# KiCad board usb_power_board.kicad_pcb (continued)
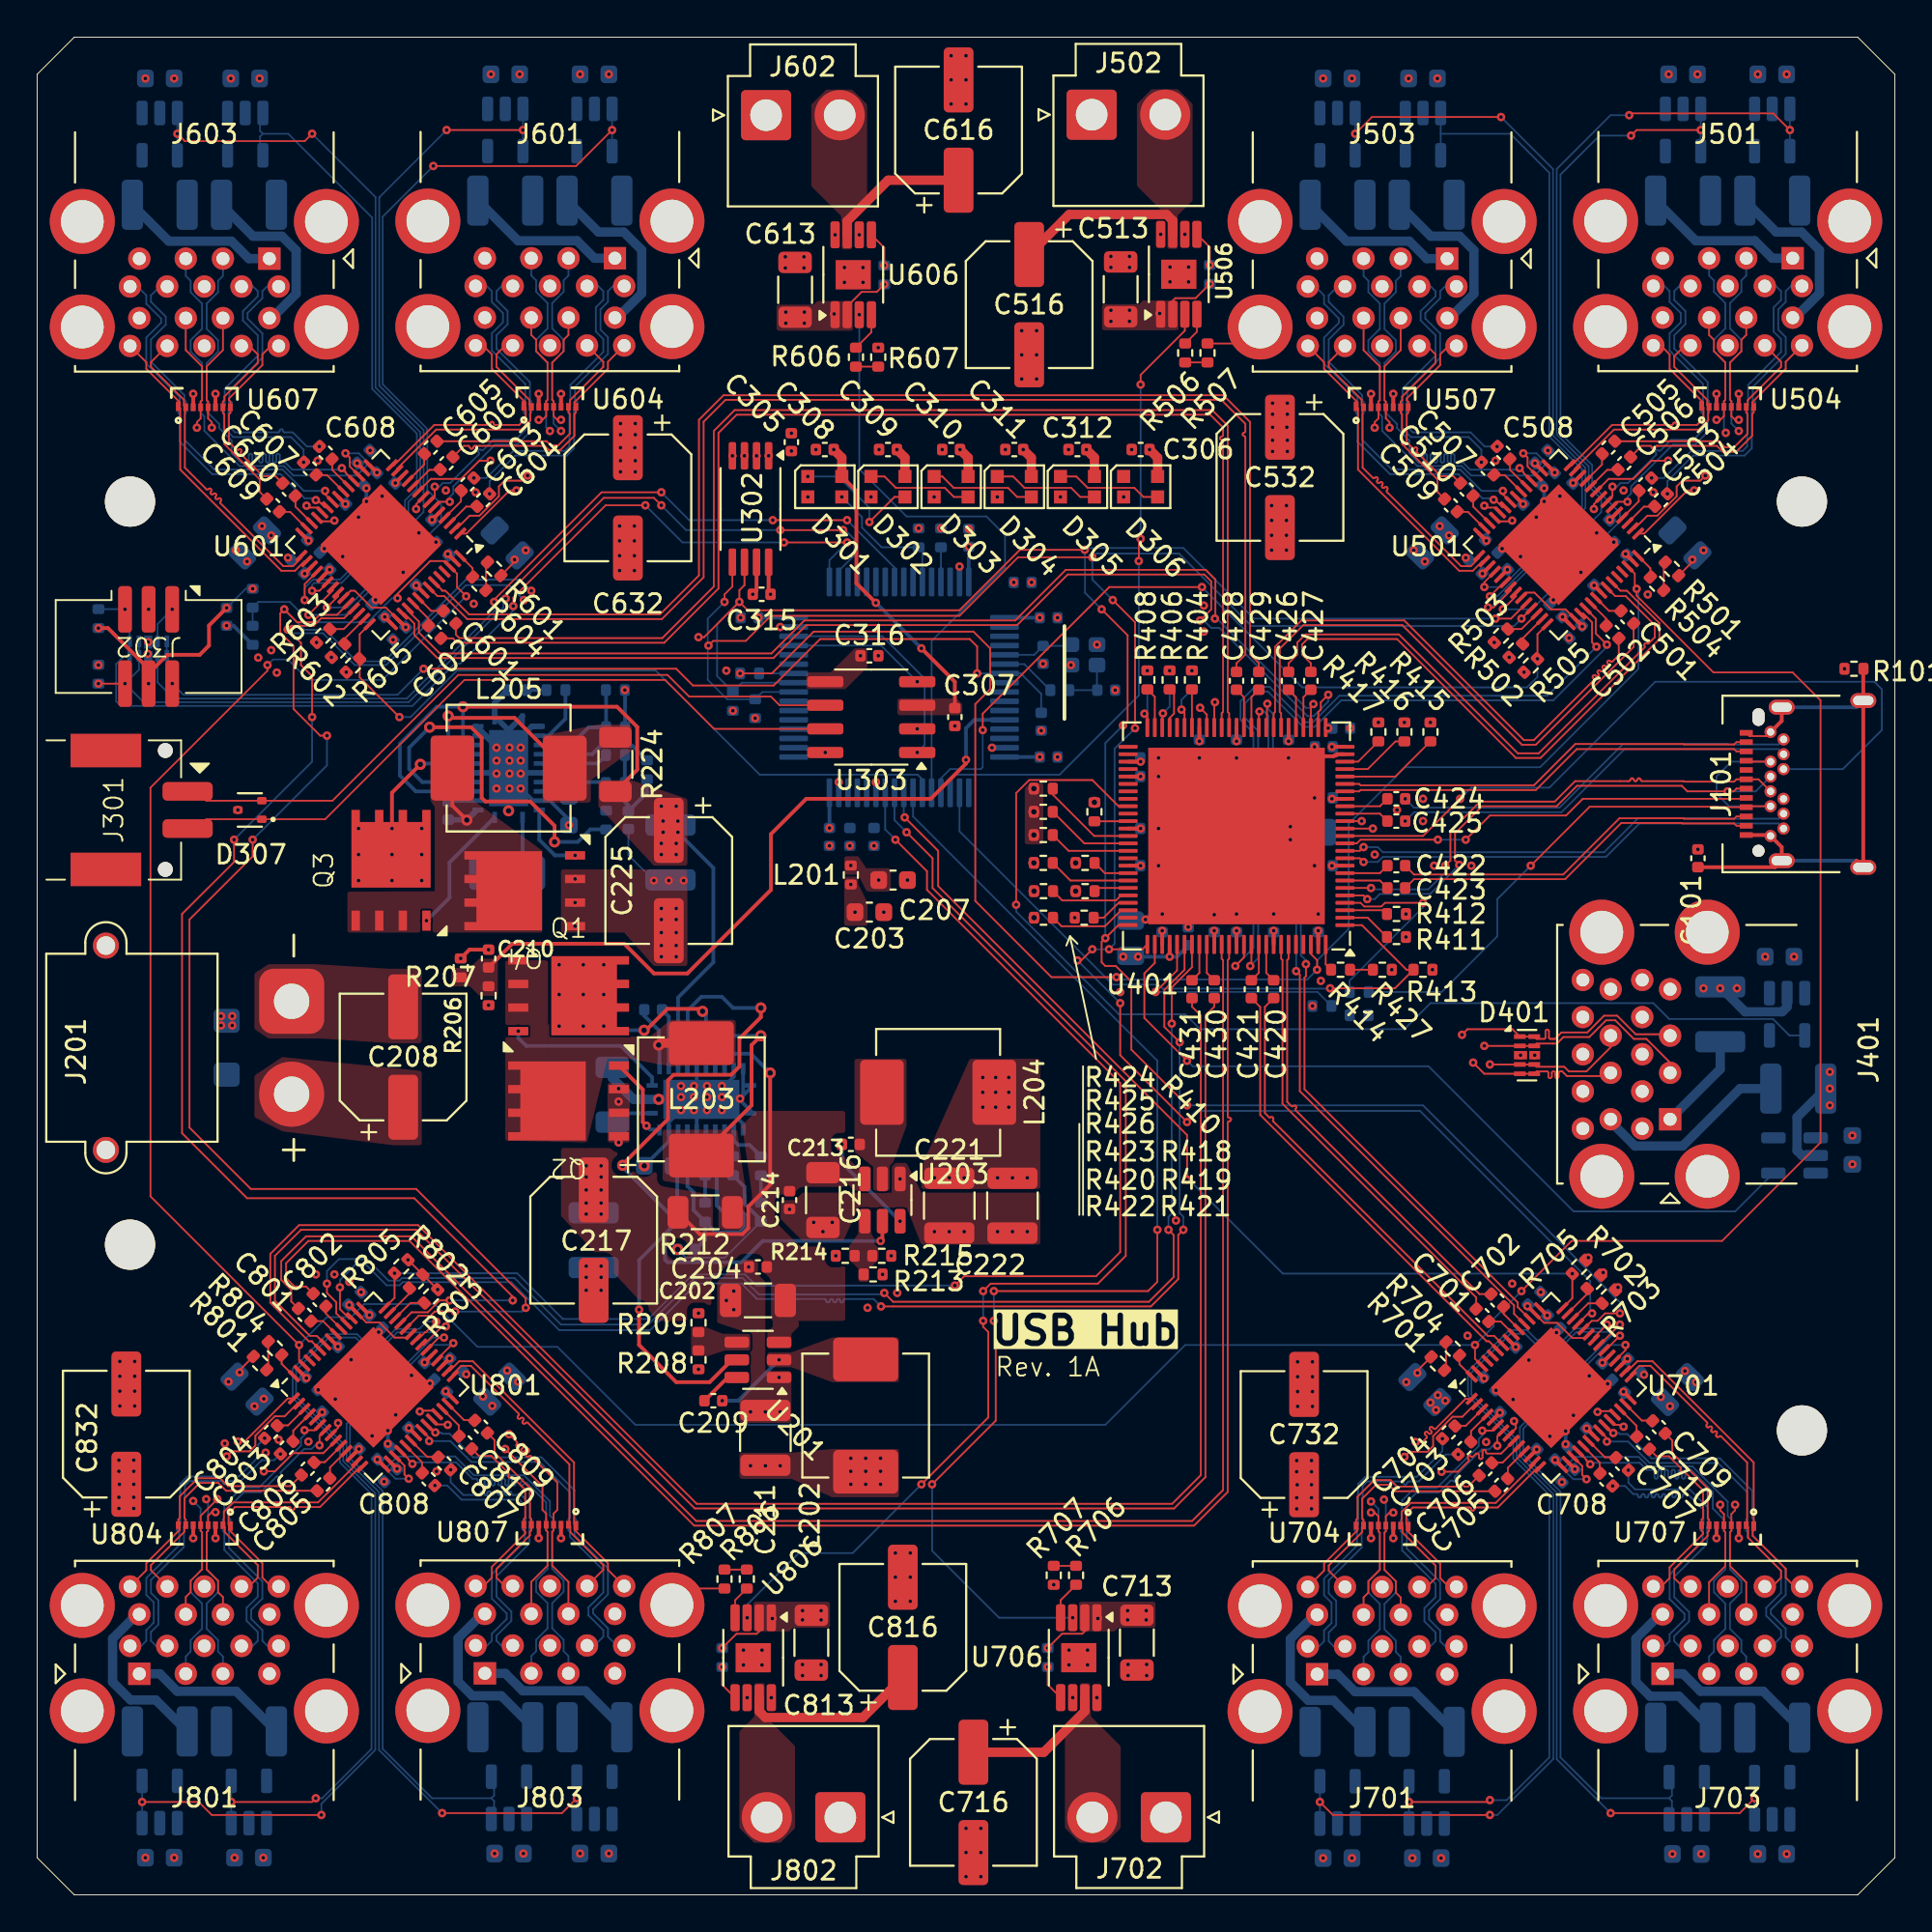
[diagram p0: board, top side]
## Routing (per net, layer and track width the routed paths; a pad name or vN(x,y) marks a point on that pad's centre or on a via; arc(x,y) is an arc through that point) (continued)
/USB Hub 1/CTL4: length 35.8
  Top w0.09: v1(77.9,70.4) 77.9,70.66 U501.32
  Bottom w0.09: 75.55,94.8 U509.4 ; 75.55,94.8 U509.3 ; 75.55,94.8 79.3,94.8 81.4,92.7 81.4,78.5 83.16,76.74 83.16,74.72 78.84,70.4 v1(77.9,70.4)
/USB Hub 1/D_{C}+: length 23.3
  Top w0.095: v1(80,77.6) 80.23,77.37 80.23,76.89 U501.17
  Bottom w0.095: J503.3 71.4,87.14 71.66,86.88 71.66,86.27 72.28,85.66 72.28,84.3 71.66,83.68 71.66,83.07 72.28,82.46 72.28,80.46 72.2,80.38 U510.5 72.2,79.78 72.4,79.58 72.4,78.81 74.3,76.91 76.68,76.91 77.19,76.4 80.6,76.4 81.14,76.94 81.14,77.17 80.71,77.6 v1(80,77.6)
/USB Hub 1/D_{C}-: length 23.3
  Top w0.095: v1(79.8,76.8) 80,76.6 80,76.56 U501.18
  Bottom w0.095: v1(79.8,76.8) 79.72,76.72 77.14,76.72 76.76,77.1 76.37,77.1 arc(76.32,77.12) 76.29,77.17 76.29,77.5 arc(76.27,77.55) 76.22,77.57 76.18,77.57 arc(76.13,77.55) 76.11,77.5 76.11,77.17 arc(76.09,77.12) 76.03,77.1 76,77.1 arc(75.95,77.12) 75.92,77.17 75.92,77.5 arc(75.9,77.55) 75.85,77.57 75.81,77.57 arc(75.76,77.55) 75.74,77.5 75.74,77.17 arc(75.72,77.12) 75.66,77.1 75.63,77.1 arc(75.58,77.12) 75.55,77.17 75.55,77.5 arc(75.53,77.55) 75.48,77.57 75.44,77.57 arc(75.39,77.55) 75.37,77.5 75.37,77.17 arc(75.35,77.12) 75.29,77.1 75.26,77.1 arc(75.21,77.12) 75.18,77.17 75.18,77.5 arc(75.16,77.55) 75.11,77.57 75.07,77.57 arc(75.02,77.55) 75,77.5 75,77.17 arc(74.98,77.12) 74.92,77.1 74.89,77.1 arc(74.84,77.12) 74.81,77.17 74.81,77.5 arc(74.79,77.55) 74.74,77.57 74.7,77.57 arc(74.65,77.55) 74.63,77.5 74.63,77.17 arc(74.61,77.12) 74.55,77.1 74.37,77.1 73.87,77.6 73.87,78.29 73.2,78.96 73.2,79.18 72.6,79.78 U510.4 72.6,80.38 72.53,80.46 72.53,82.46 73.14,83.07 73.14,83.68 72.53,84.3 72.53,85.66 73.14,86.27 73.14,86.88 73.4,87.14 J503.2
/USB Hub 1/D_{D}+: length 17.3
  Top w0.095: U501.24 78.49,74.68 78,74.68 v1(77.9,74.78) ; J503.12 71.4,83.15 72.28,82.28 72.28,80.46 72.2,80.38 U507.4 72.2,79.48 72,79.28 v1(72,78.98)
  PWRF.Cu w0.095: 77.92,74.9 77.9,74.91
  PWRB.Cu w0.095: v1(77.9,74.78) 77.8,74.88 77.8,75 77.2,75.6 75.38,75.6 75.04,75.94 arc(74.99,75.96) 74.93,75.94 74.9,75.9 arc(74.85,75.88) 74.79,75.9 74.77,75.93 arc(74.75,75.98) 74.77,76.04 74.8,76.07 arc(74.82,76.12) 74.8,76.18 74.78,76.2 arc(74.72,76.22) 74.67,76.2 74.64,76.17 arc(74.58,76.14) 74.53,76.17 74.51,76.19 arc(74.48,76.24) 74.51,76.3 74.54,76.33 arc(74.56,76.38) 74.54,76.44 74.51,76.46 arc(74.46,76.48) 74.41,76.46 74.38,76.43 arc(74.32,76.41) 74.27,76.43 74.24,76.45 arc(74.22,76.51) 74.24,76.56 74.28,76.59 arc(74.3,76.65) 74.28,76.7 74.25,76.72 arc(74.2,76.75) 74.15,76.72 74.11,76.69 arc(74.06,76.67) 74.01,76.69 73.98,76.72 arc(73.96,76.77) 73.98,76.82 74.02,76.86 arc(74.04,76.91) 74.02,76.96 73.99,76.99 arc(73.94,77.01) 73.89,76.99 73.85,76.95 arc(73.8,76.93) 73.75,76.95 73.72,76.98 arc(73.7,77.03) 73.72,77.08 73.76,77.12 arc(73.78,77.17) 73.76,77.22 73.73,77.25 arc(73.68,77.27) 73.62,77.25 73.59,77.21 arc(73.54,77.19) 73.49,77.21 73.46,77.24 arc(73.44,77.29) 73.46,77.34 73.49,77.38 arc(73.52,77.43) 73.49,77.48 73.47,77.51 arc(73.42,77.53) 73.36,77.51 73.33,77.47 arc(73.28,77.45) 73.22,77.47 73.2,77.5 arc(73.18,77.55) 73.2,77.61 73.23,77.64 arc(73.25,77.69) 73.23,77.74 73.21,77.77 arc(73.15,77.79) 73.1,77.77 73.07,77.74 arc(73.01,77.71) 72.96,77.74 72.94,77.76 arc(72.91,77.81) 72.94,77.87 72.97,77.9 arc(72.99,77.95) 72.97,78.01 v1(72,78.98)
/USB Hub 1/D_{D}-: length 17.3
  Top w0.095: J503.11 73.4,83.15 72.53,82.28 72.53,80.46 72.6,80.38 U507.5 72.6,79.48 72.8,79.28 v1(72.8,78.98) ; v1(79.4,73.98) 79.36,73.94 78.66,73.94 U501.25
  PWRB.Cu w0.095: v1(79.4,73.98) 79.4,75.64 79.04,76 75.33,76 72.8,78.53 v1(72.8,78.98)
/USB Hub 1/D_{E}+: length 16.2
  Top w0.095: J501.12 90,83.97 90.26,83.71 90.26,83.09 90.88,82.48 90.88,80.48 90.8,80.4 U504.4 90.8,79.6 90.6,79.4 v1(90.4,79.4) ; U501.8 83.8,74.86 v1(83.8,74.6)
  PWRB.Cu w0.095: v1(90.4,79.4) 90.4,79.2 89.8,78.6 87,78.6 83.8,75.4 v1(83.8,74.6)
/USB Hub 1/D_{E}-: length 16.2
  Top w0.095: J501.11 92,83.97 91.74,83.71 91.74,83.09 91.12,82.48 91.12,80.48 91.2,80.4 U504.5 91.2,79.6 91.4,79.4 v1(91.6,79.4) ; v1(87.8,77.2) 86.9,77.2 85.92,76.22 84.6,76.22 U501.9
  PWRB.Cu w0.095: v1(91.6,79.4) 91.04,79.4 90.64,79 90.46,79 89.66,78.19 arc(89.64,78.15) 89.66,78.11 arc(89.67,78.07) 89.66,78.03 89.59,77.97 arc(89.55,77.95) 89.51,77.97 89.29,78.19 arc(89.24,78.21) 89.19,78.19 89.16,78.16 arc(89.14,78.11) 89.16,78.06 89.29,77.93 arc(89.31,77.88) 89.29,77.83 88.66,77.2 v1(87.8,77.2)
/USB Hub 1/D_{K}+: length 18.9
  Top w0.095: v1(89.2,75.6) 88.83,75.6 86.51,73.28 U501.1
  PWRB.Cu w0.095: v1(90.9,78.7) 90.41,78.21 arc(90.39,78.16) 90.41,78.1 90.43,78.08 arc(90.46,78.03) 90.43,77.97 90.41,77.95 arc(90.36,77.93) 90.3,77.95 90.08,78.17 arc(90.02,78.2) 89.97,78.17 89.95,78.15 arc(89.92,78.1) 89.95,78.04 90.04,77.95 arc(90.06,77.89) 90.04,77.84 89.2,77 v1(89.2,75.6)
  Bottom w0.095: v1(90.9,78.7) 90.8,78.8 U505.5 90.8,80.4 90.88,80.48 90.88,82.48 90.26,83.09 90.26,83.71 90.88,84.32 90.88,85.68 90.26,86.29 90.26,86.91 90,87.17 J501.3
/USB Hub 1/D_{K}-: length 18.9
  Top w0.095: v1(89.8,76.4) 89.53,76.12 88.57,76.12 88.26,75.82 88.26,75.29 87.21,74.24 86.68,74.24 86,73.56 U501.2
  PWRB.Cu w0.095: v1(91.6,78.8) 89.8,77 v1(89.8,76.4)
  Bottom w0.095: J501.2 92,87.17 91.74,86.91 91.74,86.29 91.12,85.68 91.12,84.32 91.74,83.71 91.74,83.09 91.12,82.48 91.12,80.48 91.2,80.4 U505.4 91.2,79.2 v1(91.6,78.8)
/USB Hub 1/QTXM_{C}: length 1.8
  Top w0.095: 78.44,76.42 79,76.42 U501.20
/USB Hub 1/QTXM_{D}: length 1.8
  Top w0.095: U501.27 77.02,74.44 76.46,74.44
/USB Hub 1/QTXM_{E}: length 1.8
  Top w0.095: 84.23,77.56 84.23,76.99 U501.11
/USB Hub 1/QTXM_{K}: length 1.8
  Top w0.095: 86.21,75.58 86.21,75.01 U501.4
/USB Hub 1/QTXP_{C}: length 1.8
  Top w0.095: U501.19 79.28,76.71 79.28,77.27
/USB Hub 1/QTXP_{D}: length 1.8
  Top w0.095: 77.3,75.29 77.3,74.73 U501.26
/USB Hub 1/QTXP_{E}: length 1.8
  Top w0.095: U501.10 84.52,76.71 85.08,76.71
/USB Hub 1/QTXP_{K}: length 1.8
  Top w0.095: U501.3 86.5,74.73 87.06,74.73
/USB Hub 1/RX_{C}+: length 19.8
  Top w0.095: U501.22 78.9,75.39 v1(78.9,75.58)
  Bottom w0.095: J503.6 70,86.58 69.53,86.1 69.53,85.75 70.32,84.95 70.32,84.53 69.53,83.73 69.53,82.53 71.32,80.73 71.32,80.46 71.4,80.38 U510.7 71.4,79.77 71.32,79.7 71.32,78.33 72.93,76.73 76.6,76.73 77.75,75.58 v1(78.9,75.58)
/USB Hub 1/RX_{C}-: length 19.8
  Top w0.095: U501.23 78.88,74.69 78.5,75.08 78.42,75.08 v1(78.4,75.1)
  Bottom w0.095: J503.5 68.8,86.58 69.28,86.1 69.28,85.65 70.07,84.85 70.07,84.63 69.28,83.83 69.28,82.43 71.07,80.63 71.07,80.46 71,80.38 U510.8 71,79.77 71.07,79.7 71.07,78.23 72.82,76.48 76.5,76.48 77.8,75.18 78.2,75.18 78.28,75.1 v1(78.4,75.1)
/USB Hub 1/RX_{D}+: length 17.2
  Top w0.095: U501.29 77.62,71.97 77.18,71.53 76.65,71.53 72.66,75.52 arc(72.64,75.57) 72.66,75.62 72.68,75.64 arc(72.7,75.7) 72.68,75.75 72.65,75.77 arc(72.6,75.8) 72.55,75.77 72.53,75.75 arc(72.48,75.73) 72.42,75.75 72.4,75.78 arc(72.38,75.83) 72.4,75.88 72.42,75.9 arc(72.44,75.96) 72.42,76.01 72.39,76.04 arc(72.34,76.06) 72.29,76.04 72.27,76.01 arc(72.21,75.99) 72.16,76.01 72.14,76.04 arc(72.11,76.09) 72.14,76.15 72.16,76.17 arc(72.18,76.22) 72.16,76.27 72.13,76.3 arc(72.08,76.32) 72.03,76.3 72.01,76.28 arc(71.95,76.25) 71.9,76.28 71.35,76.83 71.35,80.03 U507.2 71.3,80.18 71.3,80.48 69.53,82.25 69.53,82.5 J503.15
/USB Hub 1/RX_{D}-: length 17.1
  Top w0.095: J503.14 69.28,82.5 69.28,82.15 71.05,80.37 71.05,80.18 U507.1 71.1,80.03 71.1,76.72 76.55,71.28 77.28,71.28 77.8,71.79 U501.30
/USB Hub 1/RX_{E}+: length 13.7
  Top w0.095: J501.15 88.7,83.4 88.12,82.83 88.12,82.25 89.9,80.48 89.9,80.2 U504.2 89.95,80.05 89.95,79.37 89.45,78.88 84.88,78.88 82.78,76.78 U501.13
/USB Hub 1/RX_{E}-: length 13.7
  Top w0.095: J501.14 87.4,83.4 87.88,82.92 87.88,82.15 89.65,80.37 89.65,80.2 U504.1 89.7,80.05 89.7,79.48 89.35,79.12 88.31,79.12 arc(88.26,79.14) 88.25,79.19 arc(88.23,79.23) 88.18,79.25 88.12,79.25 arc(88.08,79.23) 88.06,79.19 arc(88.04,79.14) 88,79.12 84.78,79.12 82.61,76.96 U501.14
/USB Hub 1/RX_{K}+: length 17.1
  Top w0.095: U501.6 85.06,74.99 v1(85.61,74.99)
  Bottom w0.095: J501.6 88.4,86.6 88.12,86.33 88.12,85.85 88.72,85.25 88.72,84.55 88.12,83.95 88.12,83.23 89.92,81.43 89.92,80.48 90,80.4 U505.7 90,79.8 89.92,79.72 89.92,78.75 89.25,78.08 88.06,78.08 85.8,75.81 85.8,75.43 85.61,75.25 v1(85.61,74.99)
/USB Hub 1/RX_{K}-: length 17.1
  Top w0.095: U501.7 84.8,75.29 v1(84.8,75.8)
  Bottom w0.095: J501.5 87.6,86.6 87.88,86.33 87.88,85.75 88.47,85.15 88.47,84.65 87.88,84.05 87.88,83.13 89.68,81.33 89.68,80.48 89.6,80.4 U505.8 89.6,79.8 89.68,79.72 89.68,78.85 89.15,78.33 87.96,78.33 87.38,77.75 arc(87.33,77.73) 87.27,77.75 87.26,77.76 arc(87.2,77.79) 87.15,77.76 87.13,77.74 arc(87.1,77.69) 87.13,77.63 87.14,77.62 arc(87.16,77.56) 87.14,77.51 85.63,76 85.23,76 85.04,75.8 v1(84.8,75.8)
/USB Hub 1/TX_{C}+: length 15.2
  Bottom w0.095: J503.9 75.78,86.58 75.53,86.33 75.53,85.95 74.72,85.15 74.72,84.85 75.53,84.05 75.53,82.75 73.75,80.97 73.75,80.18 U510.1 73.7,80.03 73.7,79.08 74.05,78.72 75.5,78.72 arc(75.54,78.74) 75.56,78.79 arc(75.58,78.83) 75.62,78.85 75.68,78.85 arc(75.73,78.83) 75.75,78.79 arc(75.76,78.74) 75.81,78.72 77.16,78.72 77.92,77.97 v1(78.59,77.97)
/USB Hub 1/TX_{C}-: length 15.2
  Bottom w0.095: J503.8 75.02,86.58 75.28,86.33 75.28,86.05 74.47,85.25 74.47,84.75 75.28,83.95 75.28,82.85 73.5,81.08 73.5,80.18 U510.2 73.45,80.03 73.45,78.97 73.95,78.47 77.06,78.47 77.74,77.79 v1(77.74,77.12)
/USB Hub 1/TX_{D}+: length 10.6
  Top w0.095: J503.18 75.98,83.38 75.53,82.92 75.53,82.35 73.72,80.55 73.72,80.46 73.8,80.38 U507.8 73.8,79.77 73.72,79.7 73.72,78.2 74.03,77.89 arc(74.09,77.87) 74.14,77.89 74.15,77.9 arc(74.21,77.93) 74.26,77.9 74.28,77.88 arc(74.31,77.83) 74.28,77.77 74.27,77.76 arc(74.25,77.71) 74.27,77.66 75.56,76.37 76.23,76.37 C510.1
/USB Hub 1/TX_{D}-: length 10.6
  Top w0.095: J503.17 74.82,83.38 75.28,82.92 75.28,82.45 73.47,80.65 73.47,80.46 73.4,80.38 U507.7 73.4,79.77 73.47,79.7 73.47,78.1 75.38,76.19 75.38,75.52 C509.1
/USB Hub 1/TX_{E}+: length 13.5
  Top w0.095: C506.1 86.37,78 86.83,78 arc(86.88,77.98) 86.91,77.93 86.91,77.92 arc(86.93,77.86) 86.98,77.84 87.02,77.84 arc(87.07,77.86) 87.09,77.92 87.09,77.93 arc(87.11,77.98) 87.17,78 90.42,78 90.75,77.67 91.45,77.67 92.32,78.55 92.32,79.72 92.4,79.8 U504.8 92.4,80.18 92.32,80.25 92.32,80.35 94.12,82.15 94.12,82.53 J501.18
/USB Hub 1/TX_{E}-: length 13.5
  Top w0.095: J501.17 93.88,82.53 93.88,82.25 92.08,80.45 92.08,80.25 92,80.18 U504.7 92,79.8 92.08,79.72 92.08,78.65 91.35,77.92 90.85,77.92 90.53,78.25 C505.1
/USB Hub 1/TX_{K}+: length 16.5
  Bottom w0.095: v1(87.75,75.42) 87.75,76.09 89.14,77.47 91.91,77.47 92.3,77.87 92.3,80.05 U505.1 92.35,80.2 92.35,81.17 94.12,82.95 94.12,83.85 93.72,84.25 93.72,85.35 94.12,85.75 94.12,86.33 94.4,86.6 J501.9
/USB Hub 1/TX_{K}-: length 16.6
  Bottom w0.095: v1(86.91,76.27) 87.58,76.27 89.03,77.72 91.09,77.72 arc(91.14,77.75) 91.16,77.8 91.16,77.85 arc(91.18,77.9) 91.23,77.92 91.27,77.92 arc(91.32,77.9) 91.35,77.85 91.35,77.8 arc(91.37,77.75) 91.42,77.72 91.8,77.72 92.05,77.97 92.05,80.05 U505.2 92.1,80.2 92.1,81.28 93.88,83.05 93.88,83.75 93.47,84.15 93.47,85.45 93.88,85.85 93.88,86.33 93.6,86.6 J501.8
/USB Hub 2/BIAS: length 1.4
  Top w0.095: R604.2 23.44,71.41 U601.56
/USB Hub 2/BIASM: length 1.6
  Top w0.095: R601.2 24.16,71.66 R604.1
/USB Hub 2/CTL1: length 38.4
  Top w0.09: U601.36 16.2,69.9 v1(15.6,69.3) ; v1(22.04,95) v1(26.15,95)
  Bottom w0.09: v1(22.04,95) 18.42,91.38 18.42,81.24 20.8,78.86 20.8,74.44 18.3,71.94 18.3,70.9 16.7,69.3 v1(15.6,69.3) ; U602.4 v1(26.15,95) U602.3
/USB Hub 2/CTL2: length 45.6
  Top w0.09: v1(30.95,95) 29.01,93.06 v1(21.33,93.06) ; v1(14.6,68.9) 15.92,70.22 U601.35
  Bottom w0.09: v1(21.33,93.06) 18.6,90.33 18.6,81.31 20.98,78.93 20.98,78.72 21,78.7 21,75.62 21.74,74.88 21.74,73.87 18.67,70.8 18.5,70.8 16.6,68.9 v1(14.6,68.9) ; U603.4 v1(30.95,95) U603.3
/USB Hub 2/CTL3: length 41.2
  Top w0.09: v1(7.55,94.8) 7.95,94.4 14.4,94.4 v1(14.8,94.8) ; U601.34 15.64,70.64 15.2,70.2 v1(14.8,70.2)
  Bottom w0.09: v1(14.8,70.2) 14.8,70.5 14.91,70.62 16.37,70.62 19.98,74.23 19.98,74.98 20.62,75.62 20.62,78.74 18.22,81.14 18.22,91.38 v1(14.8,94.8) ; U608.3 v1(7.55,94.8) U608.4
/USB Hub 2/CTL4: length 37
  Top w0.09: U601.32 14.4,70.56 v1(14.4,69.7)
  Bottom w0.09: U609.4 12,93.79 12,94.65 12.15,94.8 ; 12.15,94.8 13.51,94.8 18.04,90.28 18.04,81.06 20.44,78.66 20.44,75.69 19.8,75.06 19.8,74.3 16.3,70.8 14.84,70.8 14.4,70.36 v1(14.4,69.7) ; 12.15,94.8 12,94.95 12,95.76 U609.3
/USB Hub 2/D_{C}+: length 23.3
  Top w0.095: U601.17 16.83,76.89 16.83,77.37 v1(16.6,77.6)
  Bottom w0.095: J603.3 8,87.14 8.26,86.88 8.26,86.27 8.88,85.66 8.88,84.3 8.26,83.68 8.26,83.07 8.88,82.46 8.88,80.46 8.8,80.38 U610.5 8.8,79.78 9,79.58 9,78.81 10.9,76.91 13.28,76.91 13.79,76.4 17.2,76.4 17.74,76.94 17.74,77.17 17.31,77.6 v1(16.6,77.6)
/USB Hub 2/D_{C}-: length 23.3
  Top w0.095: v1(16.4,76.8) 16.6,76.6 16.6,76.56 U601.18
  Bottom w0.095: J603.2 10,87.14 9.74,86.88 9.74,86.27 9.12,85.66 9.12,84.3 9.74,83.68 9.74,83.07 9.12,82.46 9.12,80.46 9.2,80.38 U610.4 9.2,79.78 9.8,79.18 9.8,78.96 10.47,78.29 10.47,77.6 10.97,77.1 11.32,77.1 arc(11.37,77.12) 11.4,77.17 11.4,77.5 arc(11.42,77.55) 11.47,77.57 11.51,77.57 arc(11.56,77.55) 11.58,77.5 11.58,77.17 arc(11.6,77.12) 11.65,77.1 11.69,77.1 arc(11.74,77.12) 11.77,77.17 11.77,77.5 arc(11.79,77.55) 11.84,77.57 11.88,77.57 arc(11.93,77.55) 11.95,77.5 11.95,77.17 arc(11.97,77.12) 12.02,77.1 12.06,77.1 arc(12.11,77.12) 12.14,77.17 12.14,77.5 arc(12.16,77.55) 12.21,77.57 12.25,77.57 arc(12.3,77.55) 12.32,77.5 12.32,77.17 arc(12.34,77.12) 12.39,77.1 12.43,77.1 arc(12.48,77.12) 12.51,77.17 12.51,77.5 arc(12.53,77.55) 12.58,77.57 12.62,77.57 arc(12.67,77.55) 12.69,77.5 12.69,77.17 arc(12.71,77.12) 12.76,77.1 12.8,77.1 arc(12.85,77.12) 12.88,77.17 12.88,77.5 arc(12.9,77.55) 12.95,77.57 12.99,77.57 arc(13.04,77.55) 13.06,77.5 13.06,77.17 arc(13.08,77.12) 13.13,77.1 13.36,77.1 13.74,76.72 16.32,76.72 v1(16.4,76.8)
/USB Hub 2/D_{D}+: length 17.3
  Top w0.095: U601.24 15.09,74.68 14.6,74.68 v1(14.5,74.78) ; v1(8.6,78.98) 8.6,79.28 8.8,79.48 U607.4 8.8,80.38 8.88,80.46 8.88,82.28 8,83.15 J603.12
  PWRF.Cu w0.095: 14.52,74.9 14.5,74.91
  PWRB.Cu w0.095: v1(14.5,74.78) 14.4,74.88 14.4,75 13.8,75.6 11.98,75.6 11.31,76.27 arc(11.26,76.29) 11.2,76.27 11.17,76.23 arc(11.12,76.21) 11.06,76.23 11.04,76.26 arc(11.02,76.31) 11.04,76.36 11.07,76.4 arc(11.09,76.45) 11.07,76.5 11.05,76.53 arc(10.99,76.55) 10.94,76.53 10.91,76.5 arc(10.86,76.47) 10.8,76.5 10.78,76.52 arc(10.76,76.57) 10.78,76.63 10.81,76.66 arc(10.83,76.71) 10.81,76.77 10.79,76.79 arc(10.73,76.81) 10.68,76.79 10.65,76.76 arc(10.59,76.74) 10.54,76.76 10.52,76.78 arc(10.49,76.84) 10.52,76.89 10.55,76.92 arc(10.57,76.98) 10.55,77.03 10.52,77.05 arc(10.47,77.08) 10.42,77.05 10.38,77.02 arc(10.33,77) 10.28,77.02 10.25,77.05 arc(10.23,77.1) 10.25,77.15 10.29,77.18 arc(10.31,77.24) 10.29,77.29 10.26,77.32 arc(10.21,77.34) 10.16,77.32 10.12,77.28 arc(10.07,77.26) 10.02,77.28 9.99,77.31 arc(9.97,77.36) 9.99,77.41 10.03,77.45 arc(10.05,77.5) 10.03,77.55 10,77.58 arc(9.95,77.6) 9.9,77.58 9.86,77.54 arc(9.81,77.52) 9.76,77.54 9.73,77.57 arc(9.71,77.62) 9.73,77.67 9.76,77.71 arc(9.79,77.76) 9.76,77.81 9.74,77.84 arc(9.69,77.86) 9.63,77.84 9.6,77.8 arc(9.55,77.78) 9.49,77.8 9.47,77.83 arc(9.45,77.88) 9.47,77.93 9.5,77.97 arc(9.52,78.02) 9.5,78.07 9.48,78.1 arc(9.42,78.12) 9.37,78.1 9.34,78.07 arc(9.29,78.04) 9.23,78.07 9.21,78.09 arc(9.19,78.14) 9.21,78.2 9.24,78.23 arc(9.26,78.28) 9.24,78.34 v1(8.6,78.98)
/USB Hub 2/D_{D}-: length 17.3
  Top w0.095: v1(16,73.98) 15.96,73.94 15.26,73.94 U601.25 ; J603.11 10,83.15 9.12,82.28 9.12,80.46 9.2,80.38 U607.5 9.2,79.48 9.4,79.28 v1(9.4,78.98)
  PWRB.Cu w0.095: v1(16,73.98) 16,75.64 15.64,76 11.93,76 9.4,78.53 v1(9.4,78.98)
/USB Hub 2/D_{E}+: length 16.2
  Top w0.095: v1(20.4,74.6) 20.4,74.86 U601.8 ; v1(27,79.4) 27.2,79.4 27.4,79.6 U604.4 27.4,80.4 27.47,80.48 27.47,82.48 26.86,83.09 26.86,83.71 26.6,83.97 J601.12
  PWRB.Cu w0.095: v1(27,79.4) 27,79.2 26.4,78.6 23.6,78.6 20.4,75.4 v1(20.4,74.6)
/USB Hub 2/D_{E}-: length 16.2
  Top w0.095: v1(28.2,79.4) 28,79.4 27.8,79.6 U604.5 27.8,80.4 27.72,80.48 27.72,82.48 28.34,83.09 28.34,83.71 28.6,83.97 J601.11 ; v1(24.4,77.2) 23.8,77.2 22.82,76.22 21.2,76.22 U601.9
  PWRB.Cu w0.095: v1(28.2,79.4) 27.64,79.4 27.24,79 27.06,79 26.65,78.59 arc(26.63,78.53) 26.65,78.48 26.67,78.47 arc(26.69,78.41) 26.67,78.36 26.64,78.33 arc(26.59,78.31) 26.54,78.33 26.52,78.35 arc(26.47,78.37) 26.41,78.35 26.39,78.33 arc(26.37,78.27) 26.39,78.22 26.41,78.2 arc(26.43,78.15) 26.41,78.1 26.38,78.07 arc(26.33,78.05) 26.27,78.07 26.14,78.21 arc(26.08,78.23) 26.03,78.21 26.01,78.19 arc(25.98,78.13) 26.01,78.08 26.02,78.06 arc(26.04,78.01) 26.02,77.96 25.26,77.2 v1(24.4,77.2)
/USB Hub 2/D_{K}+: length 19
  Top w0.095: v1(25.8,75.6) 25.43,75.6 23.11,73.28 U601.1
  PWRB.Cu w0.095: v1(27.6,78.8) 26.43,77.63 arc(26.41,77.58) 26.43,77.53 26.45,77.51 arc(26.47,77.46) 26.45,77.41 26.42,77.38 arc(26.37,77.36) 26.31,77.38 26.18,77.51 arc(26.13,77.54) 26.08,77.51 26.05,77.49 arc(26.03,77.44) 26.05,77.38 26.18,77.25 arc(26.21,77.2) 26.18,77.15 26.16,77.12 arc(26.11,77.1) 26.05,77.12 26.04,77.13 arc(25.99,77.16) 25.93,77.13 25.8,77 v1(25.8,75.6)
  Bottom w0.095: v1(27.6,78.8) 27.4,79 27.4,80.4 27.47,80.48 27.47,82.48 26.86,83.09 26.86,83.71 27.47,84.32 27.47,85.68 26.86,86.29 26.86,86.91 26.6,87.17 J601.3
/USB Hub 2/D_{K}-: length 18.9
  Top w0.095: U601.2 22.6,73.56 23.28,74.24 23.81,74.24 24.86,75.29 24.86,75.82 25.17,76.12 26.12,76.12 v1(26.4,76.4)
  PWRB.Cu w0.095: v1(28.2,78.8) 26.4,77 v1(26.4,76.4)
  Bottom w0.095: v1(28.2,78.8) 27.8,79.2 U605.4 27.8,80.4 27.72,80.48 27.72,82.48 28.34,83.09 28.34,83.71 27.72,84.32 27.72,85.68 28.34,86.29 28.34,86.91 28.6,87.17 J601.2
/USB Hub 2/QTXM_{C}: length 1.8
  Top w0.095: 15.04,76.42 15.6,76.42 U601.20
/USB Hub 2/QTXM_{D}: length 1.8
  Top w0.095: 13.06,74.44 13.62,74.44 U601.27
/USB Hub 2/QTXM_{E}: length 1.8
  Top w0.095: U601.11 20.83,76.99 20.83,77.56
/USB Hub 2/QTXM_{K}: length 1.8
  Top w0.095: 22.81,75.58 22.81,75.01 U601.4
/USB Hub 2/QTXP_{C}: length 1.8
  Top w0.095: 15.88,77.27 15.88,76.71 U601.19
/USB Hub 2/QTXP_{D}: length 1.8
  Top w0.095: 13.9,75.29 13.9,74.73 U601.26
/USB Hub 2/QTXP_{E}: length 1.8
  Top w0.095: U601.10 21.12,76.71 21.68,76.71
/USB Hub 2/QTXP_{K}: length 1.8
  Top w0.095: U601.3 23.1,74.73 23.66,74.73
/USB Hub 2/RX_{C}+: length 19.8
  Top w0.095: v1(15.5,75.58) 15.5,75.39 U601.22
  Bottom w0.095: v1(15.5,75.58) 14.35,75.58 13.2,76.73 9.53,76.73 7.92,78.33 7.92,79.7 8,79.77 U610.7 8,80.38 7.92,80.46 7.92,80.73 6.12,82.53 6.12,83.73 6.92,84.53 6.92,84.95 6.12,85.75 6.12,86.1 6.6,86.58 J603.6
/USB Hub 2/RX_{C}-: length 19.8
  Top w0.095: U601.23 15.48,74.69 15.1,75.08 v1(15,75.08)
  Bottom w0.095: v1(15,75.08) 14.9,75.08 14.8,75.18 14.4,75.18 13.1,76.48 9.42,76.48 7.67,78.23 7.67,79.7 7.6,79.77 7.6,80.38 7.67,80.46 7.67,80.63 5.88,82.43 5.88,83.83 6.67,84.63 6.67,84.85 5.88,85.65 5.88,86.1 5.4,86.58 J603.5
/USB Hub 2/RX_{D}+: length 17.2
  Top w0.095: U601.29 14.22,71.97 13.78,71.53 13.25,71.53 9.87,74.91 arc(9.85,74.96) 9.87,75.01 9.89,75.03 arc(9.91,75.09) 9.89,75.14 9.86,75.16 arc(9.81,75.19) 9.76,75.16 9.74,75.14 arc(9.69,75.12) 9.63,75.14 9.61,75.17 arc(9.59,75.22) 9.61,75.27 9.63,75.3 arc(9.65,75.35) 9.63,75.4 9.6,75.43 arc(9.55,75.45) 9.5,75.43 9.48,75.41 arc(9.42,75.38) 9.37,75.41 9.35,75.43 arc(9.32,75.48) 9.35,75.54 9.37,75.56 arc(9.39,75.61) 9.37,75.66 9.34,75.69 arc(9.29,75.71) 9.24,75.69 9.21,75.67 arc(9.16,75.65) 9.11,75.67 7.95,76.83 7.95,80.03 U607.2 7.9,80.18 7.9,80.48 6.12,82.25 6.12,82.5 J603.15
/USB Hub 2/RX_{D}-: length 17.1
  Top w0.095: U601.30 14.4,71.79 13.88,71.28 13.15,71.28 7.7,76.72 7.7,80.03 U607.1 7.65,80.18 7.65,80.37 5.88,82.15 5.88,82.5 J603.14
/USB Hub 2/RX_{E}+: length 13.8
  Top w0.095: J601.15 25.2,83.4 24.72,82.92 24.72,82.25 26.5,80.48 26.5,80.2 U604.2 26.55,80.05 26.55,79.37 26.05,78.88 21.48,78.88 19.38,76.78 U601.13
/USB Hub 2/RX_{E}-: length 13.8
  Top w0.095: J601.14 24,83.4 24.47,82.92 24.47,82.15 26.25,80.37 26.25,80.2 U604.1 26.3,80.05 26.3,79.48 25.95,79.12 24.65,79.12 arc(24.6,79.15) 24.58,79.2 24.58,79.22 arc(24.56,79.27) 24.5,79.29 24.47,79.29 arc(24.41,79.27) 24.39,79.22 24.39,79.2 arc(24.37,79.15) 24.32,79.12 21.38,79.12 19.21,76.96 U601.14
/USB Hub 2/RX_{K}+: length 17.1
  Top w0.095: v1(22.21,74.99) 21.66,74.99 U601.6
  Bottom w0.095: v1(22.21,74.99) 22.21,75.25 22.4,75.43 22.4,75.81 24.66,78.08 25.85,78.08 26.52,78.75 26.52,79.72 26.6,79.8 U605.7 26.6,80.4 26.52,80.48 26.52,81.43 24.72,83.23 24.72,83.95 25.33,84.55 25.33,85.25 24.72,85.85 24.72,86.33 25,86.6 J601.6
/USB Hub 2/RX_{K}-: length 17.1
  Top w0.095: v1(21.4,75.8) 21.4,75.29 U601.7
  Bottom w0.095: v1(21.4,75.8) 21.64,75.8 21.83,76 22.23,76 23.77,77.54 arc(23.79,77.59) 23.77,77.64 23.75,77.66 arc(23.73,77.71) 23.75,77.76 23.78,77.79 arc(23.83,77.81) 23.88,77.79 23.9,77.77 arc(23.95,77.75) 24,77.77 24.56,78.33 25.75,78.33 26.28,78.85 26.28,79.72 26.2,79.8 26.2,80.4 26.28,80.48 26.28,81.33 24.47,83.13 24.47,84.05 25.08,84.65 25.08,85.15 24.47,85.75 24.47,86.33 24.2,86.6 J601.5
/USB Hub 2/TX_{C}+: length 15.2
  Bottom w0.095: v1(15.19,77.97) 14.52,77.97 13.76,78.72 13.31,78.72 arc(13.26,78.75) 13.24,78.8 13.24,78.82 arc(13.22,78.87) 13.16,78.89 13.13,78.89 arc(13.07,78.87) 13.05,78.82 13.05,78.8 arc(13.03,78.75) 12.98,78.72 10.65,78.72 10.3,79.08 10.3,80.03 U610.1 10.35,80.18 10.35,80.97 12.12,82.75 12.12,84.05 11.33,84.85 11.33,85.15 12.12,85.95 12.12,86.33 12.38,86.58 J603.9
/USB Hub 2/TX_{C}-: length 15.2
  Bottom w0.095: J603.8 11.62,86.58 11.88,86.33 11.88,86.05 11.08,85.25 11.08,84.75 11.88,83.95 11.88,82.85 10.1,81.08 10.1,80.18 U610.2 10.05,80.03 10.05,78.97 10.55,78.47 13.66,78.47 14.34,77.79 v1(14.34,77.12)
/USB Hub 2/TX_{D}+: length 10.6
  Top w0.095: J603.18 12.58,83.38 12.12,82.92 12.12,82.35 10.32,80.55 10.32,80.46 10.4,80.38 U607.8 10.4,79.77 10.32,79.7 10.32,78.2 10.73,77.79 arc(10.79,77.77) 10.84,77.79 10.85,77.81 arc(10.9,77.83) 10.96,77.81 10.98,77.78 arc(11,77.73) 10.98,77.67 10.97,77.66 arc(10.95,77.61) 10.97,77.56 12.16,76.37 12.83,76.37 C610.1
/USB Hub 2/TX_{D}-: length 10.6
  Top w0.095: C609.1 11.98,75.52 11.98,76.19 10.08,78.1 10.08,79.7 10,79.77 U607.7 10,80.38 10.08,80.46 10.08,80.65 11.88,82.45 11.88,82.92 11.42,83.38 J603.17
/USB Hub 2/TX_{E}+: length 13.4
  Top w0.095: J601.18 30.72,82.53 30.72,82.15 28.93,80.35 28.93,80.25 29,80.18 29,79.8 28.93,79.72 28.93,78.55 28.15,77.78 27.55,77.78 27.32,78 23.55,78 arc(23.5,77.98) 23.47,77.93 23.47,77.92 arc(23.45,77.86) 23.4,77.84 23.36,77.84 arc(23.31,77.86) 23.29,77.92 23.29,77.93 arc(23.27,77.98) 23.22,78 22.97,78 C606.1
/USB Hub 2/TX_{E}-: length 13.4
  Top w0.095: J601.17 30.47,82.53 30.47,82.25 28.68,80.45 28.68,80.25 28.6,80.18 28.6,79.8 28.68,79.72 28.68,78.65 28.05,78.03 27.65,78.03 27.43,78.25 C605.1
/USB Hub 2/TX_{K}+: length 16.5
  Bottom w0.095: v1(24.35,75.42) 24.35,76.09 25.74,77.47 28.51,77.47 28.9,77.87 28.9,80.05 U605.1 28.95,80.2 28.95,81.17 30.72,82.95 30.72,83.85 30.32,84.25 30.32,85.35 30.72,85.75 30.72,86.33 31,86.6 J601.9
/USB Hub 2/TX_{K}-: length 16.5
  Bottom w0.095: J601.8 30.2,86.6 30.47,86.33 30.47,85.85 30.07,85.45 30.07,84.15 30.47,83.75 30.47,83.05 28.7,81.28 28.7,80.2 U605.2 28.65,80.05 28.65,77.97 28.4,77.72 25.63,77.72 25.34,77.43 arc(25.29,77.41) 25.24,77.43 25.22,77.44 arc(25.17,77.47) 25.12,77.44 25.09,77.42 arc(25.07,77.37) 25.09,77.31 25.1,77.3 arc(25.13,77.25) 25.1,77.2 24.18,76.27 v1(23.51,76.27)
/USB Hub 3/BIAS: length 1.4
  Top w0.095: R704.2 76.56,28.56 U701.56
/USB Hub 3/BIASM: length 1.6
  Top w0.095: R701.2 75.84,28.32 R704.1
/USB Hub 3/CTL1: length 43.5
  Top w0.09: v1(78.2,5.1) 78.1,5 v1(73.85,5) ; U701.36 83.8,30 v1(84.5,30.7)
  Bottom w0.09: U702.4 v1(73.85,5) U702.3 ; v1(84.5,30.7) 84.28,30.48 82.78,30.48 82.17,29.87 80.73,29.87 80.2,30.4 79.24,30.4 77.02,28.17 77.02,26.86 79.46,24.43 79.46,23.48 81.4,21.53 81.4,7.4 79.1,5.1 v1(78.2,5.1)
/USB Hub 3/CTL2: length 50.1
  Top w0.09: v1(69.05,5) 69.75,4.3 v1(78.2,4.3) ; U701.35 84.1,29.6 v1(85.2,30.7)
  Bottom w0.09: U703.4 v1(69.05,5) U703.3 ; v1(85.2,30.7) 84.8,30.3 82.86,30.3 82.25,29.69 80.61,29.69 80.1,30.2 79.3,30.2 77.2,28.1 77.2,26.94 79.64,24.5 79.64,23.55 81.62,21.57 81.62,7.32 78.6,4.3 v1(78.2,4.3)
/USB Hub 3/CTL3: length 41.7
  Top w0.09: v1(85.2,30.1) 84.42,29.32 U701.34 ; v1(92.45,5.2) 91.65,4.4 v1(84.7,4.4)
  Bottom w0.09: U708.4 v1(92.45,5.2) U708.3 ; v1(84.7,4.4) 81.8,7.3 81.8,21.64 79.82,23.63 79.82,25.17 84.74,30.1 v1(85.2,30.1)
/USB Hub 3/CTL4: length 36.3
  Top w0.09: U701.32 85.5,29.32 v1(85.5,29.6)
  Bottom w0.09: U709.4 88,6.19 88,5.35 87.85,5.2 ; v1(85.5,29.6) 84.5,29.6 80,25.1 80,23.7 82,21.7 82,7.4 84.2,5.2 87.85,5.2 ; 87.85,5.2 88,5.05 88,4.21 U709.3